# Altium PCB Main_Board.PcbDoc (part 8 of 19)
Units mil, origin at the board's own origin, x right, y up, seen from the top; angles counter-clockwise.
Board outline 5306 x 6610 mil, 12 copper layers ((L1) Top, (L2) Inner 1, (L3) Inner 2, (L4) Inner 3, (L5) Inner 4, (L6) Inner 5, (L7) Inner 6, (L8) Inner 7, (L9) Inner 8, (L10) Inner 9, (L11) Inner 10, (L12) Bottom), stack 94.81 mil thick; 347 components, 571 nets, 2611 pads, 4053 vias.
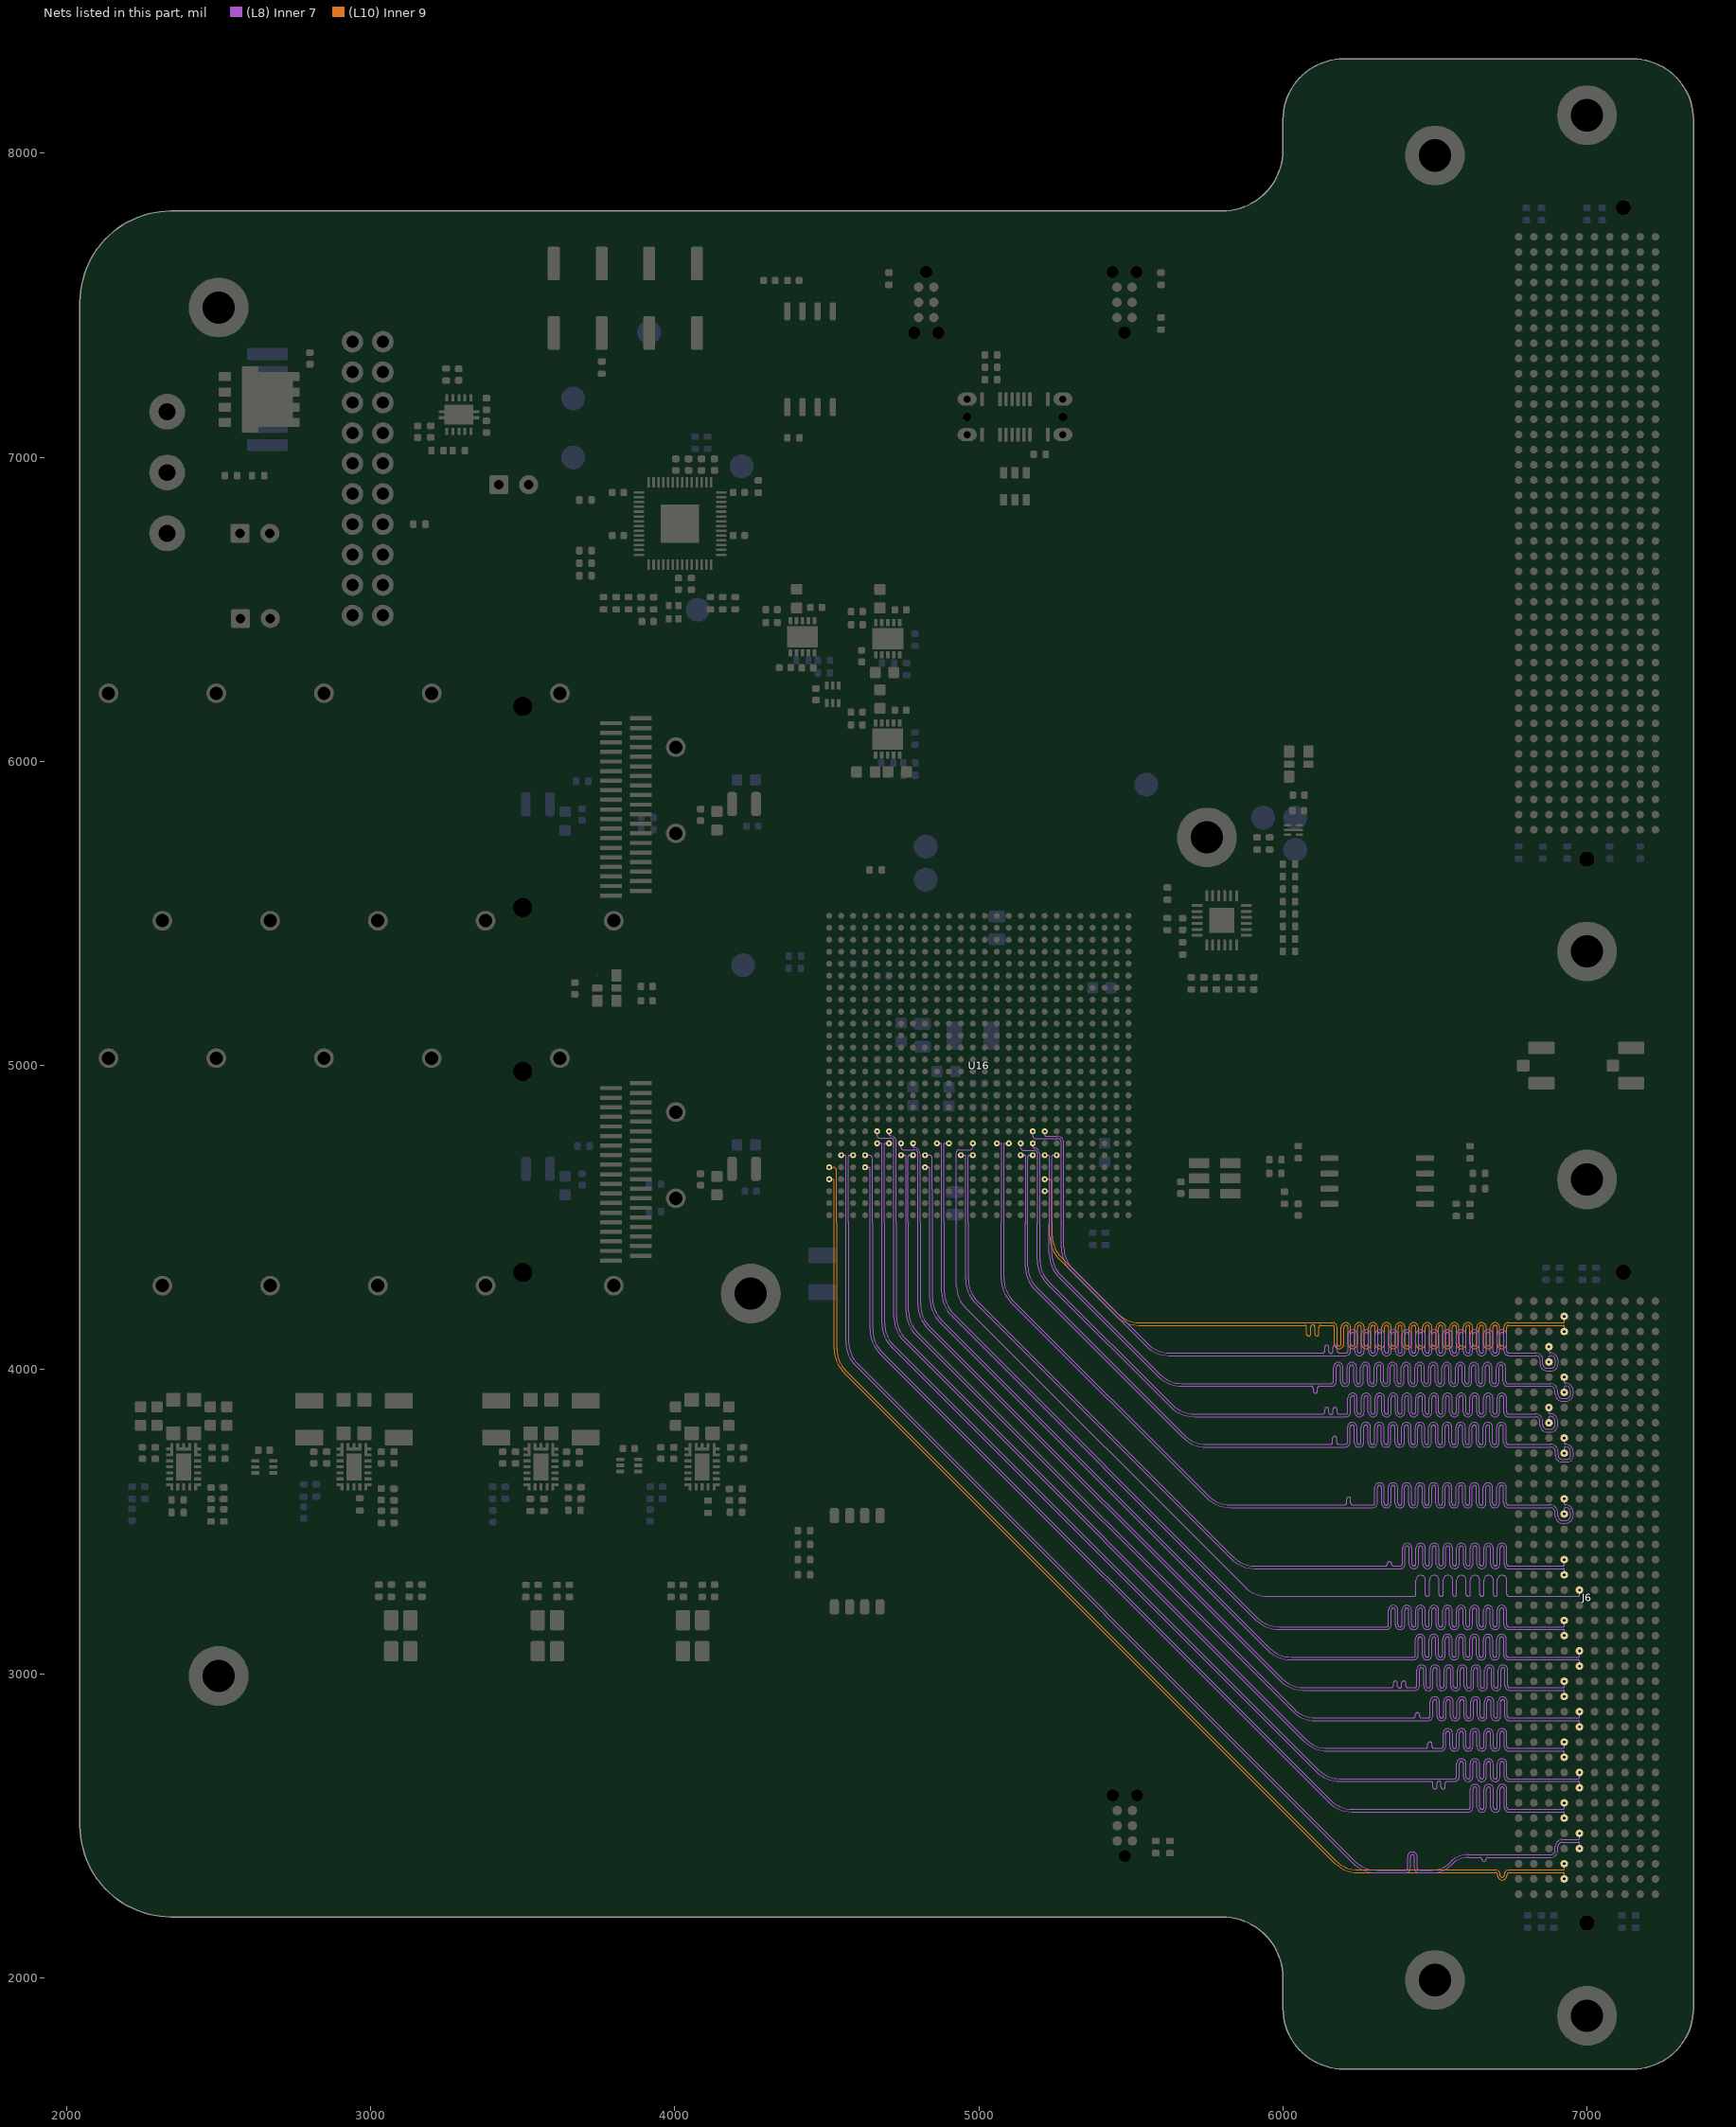
[diagram p18: the nets of this part, all layers, seen from the top]

## Via types
v1: diameter 13.78, hole 7.87, (L1) Top to (L12) Bottom, tented both sides, 4044 vias
v2: diameter 13.78, hole 7.87, (L1) Top to (L12) Bottom, tented bottom, 9 vias

## Nets (pads, with @x,y where several pads share a name; then routed paths per layer and width w, separated by ;. In a path a pad name is that pad's centre, name@x,y a point inside that pad or via, vN(x,y) a via of type N, cw(c..) or ccw(c..) an arc to the next point about the centre after c; other vN are vias at no path point) (continued)
HPCC_A_39_P: J6.F20 U16.Y13 | length 3861.9
  (L8) Inner 7 w3.5: 4925.72,4482.02 cw(c4927.48,4483.77) 4925,4483.77 4925,4711.65 cw(c4936,4711.65) 4936,4722.65 4971.09,4722.65 ccw(c4971.09,4731.87) 4980.31,4731.87 v1(4980.31,4744.09) ; 4925.73,4482.02 cw(c4923.97,4480.27) 4926.45,4480.27 4926.45,4274.97 ccw(c5026.45,4274.97) 4955.74,4204.26 5876.31,3283.69 ccw(c5947.02,3354.4) 5947.02,3254.4 6424.79,3254.4 6430.94,3254.4 ccw(c6430.94,3261.15) 6437.69,3261.15 6437.69,3308.07 cw(c6453.24,3308.07) 6468.79,3308.07 6468.79,3260.76 ccw(c6475.54,3260.76) 6482.29,3260.76 6482.29,3308.07 cw(c6497.84,3308.07) 6513.39,3308.07 6513.39,3260.76 ccw(c6520.14,3260.76) 6526.89,3260.76 6526.89,3308.07 cw(c6542.44,3308.07) 6557.99,3308.07 6557.99,3260.76 ccw(c6564.74,3260.76) 6571.49,3260.76 6571.49,3308.07 cw(c6587.04,3308.07) 6602.59,3308.07 6602.59,3260.76 ccw(c6609.34,3260.76) 6616.09,3260.76 6616.09,3308.07 cw(c6631.64,3308.07) 6647.19,3308.07 6647.19,3260.76 ccw(c6653.94,3260.76) 6660.69,3260.76 6660.69,3308.07 cw(c6676.24,3308.07) 6691.79,3308.07 6691.79,3260.76 ccw(c6698.54,3260.76) 6705.29,3260.76 6705.29,3308.07 cw(c6720.84,3308.07) 6736.39,3308.07 6736.39,3261.15 ccw(c6743.14,3261.15) 6743.14,3254.4 6796,3254.4 6971.5,3254.4 ccw(c6971.5,3257.9) 6973.97,3255.43 ccw(c6971.5,3257.9) 6975,3257.9 v1(6975,3275)
HPCC_A_40_N: J6.F25 U16.AB9 | length 4025.2
  (L8) Inner 7 w3.5: v1(4822.83,4665.35) 4833.76,4665.35 cw(c4833.76,4660.1) 4839.02,4660.1 4839.02,4233.6 ccw(c4947.82,4233.6) 4870.89,4156.67 5950.09,3077.47 ccw(c6027.02,3154.4) 6027.02,3045.6 6423.14,3045.6 6429.29,3045.6 ccw(c6429.29,3061.15) 6444.84,3061.15 6444.84,3113.71 cw(c6451.59,3113.71) 6458.34,3113.71 6458.34,3061.05 ccw(c6473.89,3061.05) 6489.44,3061.05 6489.44,3113.71 cw(c6496.19,3113.71) 6502.94,3113.71 6502.94,3061.05 ccw(c6518.49,3061.05) 6534.04,3061.05 6534.04,3113.71 cw(c6540.79,3113.71) 6547.54,3113.71 6547.54,3061.05 ccw(c6563.09,3061.05) 6578.64,3061.05 6578.64,3113.71 cw(c6585.39,3113.71) 6592.14,3113.71 6592.14,3061.05 ccw(c6607.69,3061.05) 6623.24,3061.05 6623.24,3113.71 cw(c6629.99,3113.71) 6636.74,3113.71 6636.74,3061.05 ccw(c6652.29,3061.05) 6667.84,3061.05 6667.84,3113.71 cw(c6674.59,3113.71) 6681.34,3113.71 6681.34,3061.05 ccw(c6696.89,3061.05) 6712.44,3061.05 6712.44,3113.71 cw(c6719.19,3113.71) 6725.94,3113.71 6725.94,3061.15 ccw(c6741.49,3061.15) 6741.49,3045.6 6778,3045.6 6971.5,3045.6 cw(c6971.5,3042.1) 6973.97,3044.57 cw(c6971.5,3042.1) 6975,3042.1 v1(6975,3025)
HPCC_A_40_P: J6.F24 U16.AA9 | length 4057.1
  (L8) Inner 7 w3.5: v1(4822.83,4704.72) 4837.77,4704.72 cw(c4837.77,4696.12) 4846.37,4696.12 4846.37,4593.41 4846.37,4485 4846.37,4483.77 ccw(c4848.85,4483.77) 4847.1,4482.02 cw(c4845.35,4480.27) 4847.82,4480.27 4847.82,4233.6 ccw(c4947.82,4233.6) 4877.11,4162.89 5956.31,3083.69 ccw(c6027.02,3154.4) 6027.02,3054.4 6423.14,3054.4 6429.29,3054.4 ccw(c6429.29,3061.15) 6436.04,3061.15 6436.04,3113.71 cw(c6451.59,3113.71) 6467.14,3113.71 6467.14,3061.05 ccw(c6473.89,3061.05) 6480.64,3061.05 6480.64,3113.71 cw(c6496.19,3113.71) 6511.74,3113.71 6511.74,3061.05 ccw(c6518.49,3061.05) 6525.24,3061.05 6525.24,3113.71 cw(c6540.79,3113.71) 6556.34,3113.71 6556.34,3061.05 ccw(c6563.09,3061.05) 6569.84,3061.05 6569.84,3113.71 cw(c6585.39,3113.71) 6600.94,3113.71 6600.94,3061.05 ccw(c6607.69,3061.05) 6614.44,3061.05 6614.44,3113.71 cw(c6629.99,3113.71) 6645.54,3113.71 6645.54,3061.05 ccw(c6652.29,3061.05) 6659.04,3061.05 6659.04,3113.71 cw(c6674.59,3113.71) 6690.14,3113.71 6690.14,3061.05 ccw(c6696.89,3061.05) 6703.64,3061.05 6703.64,3113.71 cw(c6719.19,3113.71) 6734.74,3113.71 6734.74,3061.15 ccw(c6741.49,3061.15) 6741.49,3054.4 6778,3054.4 6971.5,3054.4 ccw(c6971.5,3057.9) 6973.97,3055.43 ccw(c6971.5,3057.9) 6975,3057.9 v1(6975,3075)
HPCC_A_41_N: J6.F29 U16.AA7 | length 4057
  (L8) Inner 7 w3.5: v1(4744.09,4704.72) 4756.6,4704.72 cw(c4756.6,4701.22) 4759.08,4703.7 cw(c4756.6,4701.22) 4760.1,4701.22 4760.1,4192.52 ccw(c4868.9,4192.52) 4791.97,4115.58 6030.09,2877.47 ccw(c6107.02,2954.4) 6107.02,2845.6 6471.11,2845.6 6477.26,2845.6 ccw(c6477.26,2861.15) 6492.81,2861.15 6492.81,2908.09 cw(c6499.56,2908.09) 6506.31,2908.09 6506.31,2860.61 ccw(c6521.86,2860.61) 6537.41,2860.61 6537.41,2908.09 cw(c6544.16,2908.09) 6550.91,2908.09 6550.91,2860.61 ccw(c6566.46,2860.61) 6582.01,2860.61 6582.01,2908.09 cw(c6588.76,2908.09) 6595.51,2908.09 6595.51,2860.61 ccw(c6611.06,2860.61) 6626.61,2860.61 6626.61,2908.09 cw(c6633.36,2908.09) 6640.11,2908.09 6640.11,2860.61 ccw(c6655.66,2860.61) 6671.21,2860.61 6671.21,2908.09 cw(c6677.96,2908.09) 6684.71,2908.09 6684.71,2860.61 ccw(c6700.26,2860.61) 6715.81,2860.61 6715.81,2908.09 cw(c6722.56,2908.09) 6729.31,2908.09 6729.31,2861.15 ccw(c6744.86,2861.15) 6744.86,2845.6 6780,2845.6 6971.5,2845.6 cw(c6971.5,2842.1) 6973.97,2844.57 cw(c6971.5,2842.1) 6975,2842.1 v1(6975,2825)
HPCC_A_41_P: J6.F28 U16.AA8 | length 4066.2
  (L8) Inner 7 w3.5: v1(4783.46,4704.72) 4770.95,4704.72 ccw(c4770.95,4701.22) 4768.48,4703.7 ccw(c4770.95,4701.22) 4767.45,4701.22 4767.45,4483.77 ccw(c4769.93,4483.77) 4768.18,4482.02 cw(c4766.43,4480.27) 4768.9,4480.27 4768.9,4192.52 ccw(c4868.9,4192.52) 4798.19,4121.81 6036.31,2883.69 ccw(c6107.02,2954.4) 6107.02,2854.4 6419.51,2854.4 6428.75,2854.4 ccw(c6428.75,2861.15) 6435.5,2861.15 6435.5,2864.75 cw(c6442.25,2864.75) 6449,2864.75 6449,2861.15 ccw(c6455.75,2861.15) 6455.75,2854.4 6471,2854.4 6471.11,2854.4 6477.26,2854.4 ccw(c6477.26,2861.15) 6484.01,2861.15 6484.01,2908.09 cw(c6499.56,2908.09) 6515.11,2908.09 6515.11,2860.61 ccw(c6521.86,2860.61) 6528.61,2860.61 6528.61,2908.09 cw(c6544.16,2908.09) 6559.71,2908.09 6559.71,2860.61 ccw(c6566.46,2860.61) 6573.21,2860.61 6573.21,2908.09 cw(c6588.76,2908.09) 6604.31,2908.09 6604.31,2860.61 ccw(c6611.06,2860.61) 6617.81,2860.61 6617.81,2908.09 cw(c6633.36,2908.09) 6648.91,2908.09 6648.91,2860.61 ccw(c6655.66,2860.61) 6662.41,2860.61 6662.41,2908.09 cw(c6677.96,2908.09) 6693.51,2908.09 6693.51,2860.61 ccw(c6700.26,2860.61) 6707.01,2860.61 6707.01,2908.09 cw(c6722.56,2908.09) 6738.11,2908.09 6738.11,2861.15 ccw(c6744.86,2861.15) 6744.86,2854.4 6780,2854.4 6971.5,2854.4 ccw(c6971.5,2857.9) 6973.97,2855.43 ccw(c6971.5,2857.9) 6975,2857.9 v1(6975,2875)
HPCC_A_42_N: J6.F33 U16.Y5 | length 4090.3
  (L8) Inner 7 w3.5: v1(4665.35,4744.09) 4677.86,4744.09 cw(c4677.86,4740.59) 4680.34,4743.07 cw(c4677.86,4740.59) 4681.36,4740.59 4681.36,4151.26 ccw(c4790.16,4151.26) 4713.23,4074.32 6110.09,2677.47 ccw(c6187.02,2754.4) 6187.02,2645.6 6471,2645.6 6486.25,2645.6 cw(c6486.25,2638.85) 6493,2638.85 6493,2627.34 ccw(c6499.75,2627.34) 6506.5,2627.34 6506.5,2640.3 cw(c6513.25,2640.3) 6520,2640.3 6520,2627.34 ccw(c6526.75,2627.34) 6533.5,2627.34 6533.5,2638.85 cw(c6540.25,2638.85) 6540.25,2645.6 6557,2645.6 6558.4,2645.6 6564.55,2645.6 ccw(c6564.55,2661.15) 6580.1,2661.15 6580.1,2704.45 cw(c6586.85,2704.45) 6593.6,2704.45 6593.6,2660.89 ccw(c6609.15,2660.89) 6624.7,2660.89 6624.7,2704.45 cw(c6631.45,2704.45) 6638.2,2704.45 6638.2,2660.89 ccw(c6653.75,2660.89) 6669.3,2660.89 6669.3,2704.45 cw(c6676.05,2704.45) 6682.8,2704.45 6682.8,2660.89 ccw(c6698.35,2660.89) 6713.9,2660.89 6713.9,2704.45 cw(c6720.65,2704.45) 6727.4,2704.45 6727.4,2661.15 ccw(c6742.95,2661.15) 6742.95,2645.6 6779,2645.6 6971.5,2645.6 cw(c6971.5,2642.1) 6973.97,2644.57 cw(c6971.5,2642.1) 6975,2642.1 v1(6975,2625)
HPCC_A_42_P: J6.F32 U16.Y6 | length 3997.1
  (L8) Inner 7 w3.5: v1(4704.72,4744.09) 4692.21,4744.09 ccw(c4692.21,4740.59) 4689.74,4743.07 ccw(c4692.21,4740.59) 4688.71,4740.59 4688.71,4483.77 ccw(c4691.19,4483.77) 4689.44,4482.02 cw(c4687.69,4480.27) 4690.16,4480.27 4690.16,4151.26 ccw(c4790.16,4151.26) 4719.45,4080.55 6116.31,2683.69 ccw(c6187.02,2754.4) 6187.02,2654.4 6558.4,2654.4 6564.55,2654.4 ccw(c6564.55,2661.15) 6571.3,2661.15 6571.3,2704.45 cw(c6586.85,2704.45) 6602.4,2704.45 6602.4,2660.89 ccw(c6609.15,2660.89) 6615.9,2660.89 6615.9,2704.45 cw(c6631.45,2704.45) 6647,2704.45 6647,2660.89 ccw(c6653.75,2660.89) 6660.5,2660.89 6660.5,2704.45 cw(c6676.05,2704.45) 6691.6,2704.45 6691.6,2660.89 ccw(c6698.35,2660.89) 6705.1,2660.89 6705.1,2704.45 cw(c6720.65,2704.45) 6736.2,2704.45 6736.2,2661.15 ccw(c6742.95,2661.15) 6742.95,2654.4 6779,2654.4 6971.5,2654.4 ccw(c6971.5,2657.9) 6973.97,2655.43 ccw(c6971.5,2657.9) 6975,2657.9 v1(6975,2675)
HPCC_A_43_N: J6.F37 U16.AA2 | length 3963.2
  (L8) Inner 7 w3.5: v1(4547.24,4704.72) 4559.75,4704.72 cw(c4559.75,4701.22) 4562.23,4703.7 cw(c4559.75,4701.22) 4563.25,4701.22 4563.25,4089.37 ccw(c4672.05,4089.37) 4595.12,4012.43 6230.49,2377.07 ccw(c6307.42,2454) 6307.42,2345.2 6397.52,2345.2 6403.67,2345.2 ccw(c6403.67,2360.75) 6419.22,2360.75 6419.22,2397.92 cw(c6425.97,2397.92) 6432.72,2397.92 6432.72,2360.75 ccw(c6448.27,2360.75) 6448.27,2345.2 6491,2345.2 ccw(c6491,2433.67) 6553.56,2371.11 6556.22,2373.78 cw(c6609.87,2320.13) 6609.87,2396 6632.3,2396 6647.55,2396 cw(c6647.55,2389.25) 6654.3,2389.25 ccw(c6661.05,2389.23) 6667.8,2389.23 cw(c6674.55,2389.25) 6674.55,2396 6691.3,2396 6880.8,2396 ccw(c6880.8,2419) 6903.8,2419 6903.8,2430.8 cw(c6919,2430.8) 6919,2446 6971,2446 cw(c6971,2442) 6975,2442 v1(6975,2425)
HPCC_A_43_P: J6.F36 U16.AA3 | length 3933.5
  (L8) Inner 7 w3.5: v1(4586.61,4704.72) 4574.1,4704.72 ccw(c4574.1,4701.22) 4571.63,4703.7 ccw(c4574.1,4701.22) 4570.6,4701.22 4570.6,4483.77 ccw(c4573.08,4483.77) 4571.33,4482.02 cw(c4569.58,4480.27) 4572.05,4480.27 4572.05,4089.37 ccw(c4672.05,4089.37) 4601.34,4018.66 6236.71,2383.29 ccw(c6307.42,2454) 6307.42,2354 6397.52,2354 6403.67,2354 ccw(c6403.67,2360.75) 6410.42,2360.75 6410.42,2397.92 cw(c6425.97,2397.92) 6441.52,2397.92 6441.52,2360.75 ccw(c6448.27,2360.75) 6448.27,2354 6491,2354 ccw(c6491,2433.67) 6547.33,2377.33 6550,2380 cw(c6609.87,2320.13) 6609.87,2404.8 6880.8,2404.8 ccw(c6880.8,2419) 6895,2419 6895,2430.8 cw(c6919,2430.8) 6919,2454.8 6971,2454.8 ccw(c6971,2458.8) 6975,2458.8 v1(6975,2475)
HPCC_A_44_N: J6.G3 U16.AD19 | length 3886.4
  (L10) Inner 9 w3.5: v1(5216.54,4586.61) 5228.65,4586.61 cw(c5228.65,4582.61) 5232.65,4582.61 5232.65,4439.97 ccw(c5341.45,4439.97) 5264.52,4363.03 5450.09,4177.47 ccw(c5527.02,4254.4) 5527.02,4145.6 6055.95,4145.6 6071.2,4145.6 cw(c6071.2,4138.85) 6077.95,4138.85 6077.95,4117.07 ccw(c6084.7,4117.07) 6091.45,4117.07 6091.45,4140.3 cw(c6098.2,4140.3) 6104.95,4140.3 6104.95,4117.07 ccw(c6111.7,4117.07) 6118.45,4117.07 6118.45,4138.85 cw(c6125.2,4138.85) 6125.2,4145.6 6134,4145.6 6162.45,4145.6 cw(c6162.45,4138.85) 6169.2,4138.85 6169.2,4084.25 ccw(c6184.75,4084.25) 6200.3,4084.25 6200.3,4138.99 cw(c6207.05,4138.99) 6213.8,4138.99 6213.8,4084.25 ccw(c6229.35,4084.25) 6244.9,4084.25 6244.9,4138.99 cw(c6251.65,4138.99) 6258.4,4138.99 6258.4,4084.25 ccw(c6273.95,4084.25) 6289.5,4084.25 6289.5,4138.99 cw(c6296.25,4138.99) 6303,4138.99 6303,4084.25 ccw(c6318.55,4084.25) 6334.1,4084.25 6334.1,4138.99 cw(c6340.85,4138.99) 6347.6,4138.99 6347.6,4084.25 ccw(c6363.15,4084.25) 6378.7,4084.25 6378.7,4138.99 cw(c6385.45,4138.99) 6392.2,4138.99 6392.2,4084.25 ccw(c6407.75,4084.25) 6423.3,4084.25 6423.3,4138.99 cw(c6430.05,4138.99) 6436.8,4138.99 6436.8,4084.25 ccw(c6452.35,4084.25) 6467.9,4084.25 6467.9,4138.99 cw(c6474.65,4138.99) 6481.4,4138.99 6481.4,4084.25 ccw(c6496.95,4084.25) 6512.5,4084.25 6512.5,4138.99 cw(c6519.25,4138.99) 6526,4138.99 6526,4084.25 ccw(c6541.55,4084.25) 6557.1,4084.25 6557.1,4138.99 cw(c6563.85,4138.99) 6570.6,4138.99 6570.6,4084.25 ccw(c6586.15,4084.25) 6601.7,4084.25 6601.7,4138.99 cw(c6608.45,4138.99) 6615.2,4138.99 6615.2,4084.25 ccw(c6630.75,4084.25) 6646.3,4084.25 6646.3,4138.99 cw(c6653.05,4138.99) 6659.8,4138.99 6659.8,4084.25 ccw(c6675.35,4084.25) 6690.9,4084.25 6690.9,4138.99 cw(c6697.65,4138.99) 6704.4,4138.99 6704.4,4084.25 ccw(c6719.95,4084.25) 6735.5,4084.25 6735.5,4138.85 cw(c6742.25,4138.85) 6742.25,4145.6 6791,4145.6 6921.5,4145.6 cw(c6921.5,4142.1) 6923.97,4144.57 cw(c6921.5,4142.1) 6925,4142.1 v1(6925,4125)
HPCC_A_44_P: J6.G2 U16.AC19 | length 3796.1
  (L10) Inner 9 w3.5: v1(5216.54,4625.98) 5229.76,4625.98 cw(c5229.76,4615.74) 5240,4615.74 5240,4483.77 ccw(c5242.48,4483.77) 5240.73,4482.02 cw(c5238.98,4480.27) 5241.45,4480.27 5241.45,4439.97 ccw(c5341.45,4439.97) 5270.74,4369.26 5456.31,4183.69 ccw(c5527.02,4254.4) 5527.02,4154.4 6134,4154.4 6162.45,4154.4 cw(c6162.45,4138.85) 6178,4138.85 6178,4084.25 ccw(c6184.75,4084.25) 6191.5,4084.25 6191.5,4138.99 cw(c6207.05,4138.99) 6222.6,4138.99 6222.6,4084.25 ccw(c6229.35,4084.25) 6236.1,4084.25 6236.1,4138.99 cw(c6251.65,4138.99) 6267.2,4138.99 6267.2,4084.25 ccw(c6273.95,4084.25) 6280.7,4084.25 6280.7,4138.99 cw(c6296.25,4138.99) 6311.8,4138.99 6311.8,4084.25 ccw(c6318.55,4084.25) 6325.3,4084.25 6325.3,4138.99 cw(c6340.85,4138.99) 6356.4,4138.99 6356.4,4084.25 ccw(c6363.15,4084.25) 6369.9,4084.25 6369.9,4138.99 cw(c6385.45,4138.99) 6401,4138.99 6401,4084.25 ccw(c6407.75,4084.25) 6414.5,4084.25 6414.5,4138.99 cw(c6430.05,4138.99) 6445.6,4138.99 6445.6,4084.25 ccw(c6452.35,4084.25) 6459.1,4084.25 6459.1,4138.99 cw(c6474.65,4138.99) 6490.2,4138.99 6490.2,4084.25 ccw(c6496.95,4084.25) 6503.7,4084.25 6503.7,4138.99 cw(c6519.25,4138.99) 6534.8,4138.99 6534.8,4084.25 ccw(c6541.55,4084.25) 6548.3,4084.25 6548.3,4138.99 cw(c6563.85,4138.99) 6579.4,4138.99 6579.4,4084.25 ccw(c6586.15,4084.25) 6592.9,4084.25 6592.9,4138.99 cw(c6608.45,4138.99) 6624,4138.99 6624,4084.25 ccw(c6630.75,4084.25) 6637.5,4084.25 6637.5,4138.99 cw(c6653.05,4138.99) 6668.6,4138.99 6668.6,4084.25 ccw(c6675.35,4084.25) 6682.1,4084.25 6682.1,4138.99 cw(c6697.65,4138.99) 6713.2,4138.99 6713.2,4084.25 ccw(c6719.95,4084.25) 6726.7,4084.25 6726.7,4138.85 cw(c6742.25,4138.85) 6742.25,4154.4 6791,4154.4 6921.5,4154.4 ccw(c6921.5,4157.9) 6923.97,4155.43 ccw(c6921.5,4157.9) 6925,4157.9 v1(6925,4175)
HPCC_A_45_N: J6.G7 U16.AA20 | length 3901
  (L8) Inner 7 w3.5: v1(5255.91,4704.72) 5243.4,4704.72 ccw(c5243.4,4701.22) 5240.92,4703.7 ccw(c5243.4,4701.22) 5239.9,4701.22 5239.9,4381.53 ccw(c5339.9,4381.53) 5269.18,4310.82 5596.71,3983.29 ccw(c5667.42,4054) 5667.42,3954 6131.07,3954 6159.74,3954 ccw(c6159.74,3960.75) 6166.49,3960.75 6166.49,4007.86 cw(c6182.04,4007.86) 6197.59,4007.86 6197.59,3960.36 ccw(c6204.34,3960.36) 6211.09,3960.36 6211.09,4007.86 cw(c6226.64,4007.86) 6242.19,4007.86 6242.19,3960.36 ccw(c6248.94,3960.36) 6255.69,3960.36 6255.69,4007.86 cw(c6271.24,4007.86) 6286.79,4007.86 6286.79,3960.36 ccw(c6293.54,3960.36) 6300.29,3960.36 6300.29,4007.86 cw(c6315.84,4007.86) 6331.39,4007.86 6331.39,3960.36 ccw(c6338.14,3960.36) 6344.89,3960.36 6344.89,4007.86 cw(c6360.44,4007.86) 6375.99,4007.86 6375.99,3960.36 ccw(c6382.74,3960.36) 6389.49,3960.36 6389.49,4007.86 cw(c6405.04,4007.86) 6420.59,4007.86 6420.59,3960.36 ccw(c6427.34,3960.36) 6434.09,3960.36 6434.09,4007.86 cw(c6449.64,4007.86) 6465.19,4007.86 6465.19,3960.36 ccw(c6471.94,3960.36) 6478.69,3960.36 6478.69,4007.86 cw(c6494.24,4007.86) 6509.79,4007.86 6509.79,3960.36 ccw(c6516.54,3960.36) 6523.29,3960.36 6523.29,4007.86 cw(c6538.84,4007.86) 6554.39,4007.86 6554.39,3960.36 ccw(c6561.14,3960.36) 6567.89,3960.36 6567.89,4007.86 cw(c6583.44,4007.86) 6598.99,4007.86 6598.99,3960.36 ccw(c6605.74,3960.36) 6612.49,3960.36 6612.49,4007.86 cw(c6628.04,4007.86) 6643.59,4007.86 6643.59,3960.36 ccw(c6650.34,3960.36) 6657.09,3960.36 6657.09,4007.86 cw(c6672.64,4007.86) 6688.19,4007.86 6688.19,3960.36 ccw(c6694.94,3960.36) 6701.69,3960.36 6701.69,4007.86 cw(c6717.24,4007.86) 6732.79,4007.86 6732.79,3960.75 ccw(c6739.54,3960.75) 6739.54,3954 6812.59,3954 6878.8,3954 cw(c6878.8,3929) 6903.8,3929 6903.8,3920.2 ccw(c6919,3920.2) 6919,3905 6931,3905 ccw(c6931,3920) 6946,3920 6946,3929 ccw(c6929,3929) 6929,3946 ccw(c6929,3942) 6925,3942 v1(6925,3925)
HPCC_A_45_P: J6.G6 U16.AA19 | length 3975.6
  (L8) Inner 7 w3.5: v1(5216.54,4704.72) 5229.05,4704.72 cw(c5229.05,4701.22) 5231.52,4703.7 cw(c5229.05,4701.22) 5232.55,4701.22 5232.55,4483.77 cw(c5230.07,4483.77) 5231.82,4482.02 ccw(c5233.57,4480.27) 5231.1,4480.27 5231.1,4381.53 ccw(c5339.9,4381.53) 5262.96,4304.59 5590.49,3977.07 ccw(c5667.42,4054) 5667.42,3945.2 6078.07,3945.2 6093.32,3945.2 cw(c6093.32,3938.45) 6100.07,3938.45 6100.07,3929.4 ccw(c6106.82,3929.4) 6113.57,3929.4 6113.57,3938.45 cw(c6120.32,3938.45) 6120.32,3945.2 6131,3945.2 6131.07,3945.2 6159.74,3945.2 ccw(c6159.74,3960.75) 6175.29,3960.75 6175.29,4007.86 cw(c6182.04,4007.86) 6188.79,4007.86 6188.79,3960.36 ccw(c6204.34,3960.36) 6219.89,3960.36 6219.89,4007.86 cw(c6226.64,4007.86) 6233.39,4007.86 6233.39,3960.36 ccw(c6248.94,3960.36) 6264.49,3960.36 6264.49,4007.86 cw(c6271.24,4007.86) 6277.99,4007.86 6277.99,3960.36 ccw(c6293.54,3960.36) 6309.09,3960.36 6309.09,4007.86 cw(c6315.84,4007.86) 6322.59,4007.86 6322.59,3960.36 ccw(c6338.14,3960.36) 6353.69,3960.36 6353.69,4007.86 cw(c6360.44,4007.86) 6367.19,4007.86 6367.19,3960.36 ccw(c6382.74,3960.36) 6398.29,3960.36 6398.29,4007.86 cw(c6405.04,4007.86) 6411.79,4007.86 6411.79,3960.36 ccw(c6427.34,3960.36) 6442.89,3960.36 6442.89,4007.86 cw(c6449.64,4007.86) 6456.39,4007.86 6456.39,3960.36 ccw(c6471.94,3960.36) 6487.49,3960.36 6487.49,4007.86 cw(c6494.24,4007.86) 6500.99,4007.86 6500.99,3960.36 ccw(c6516.54,3960.36) 6532.09,3960.36 6532.09,4007.86 cw(c6538.84,4007.86) 6545.59,4007.86 6545.59,3960.36 ccw(c6561.14,3960.36) 6576.69,3960.36 6576.69,4007.86 cw(c6583.44,4007.86) 6590.19,4007.86 6590.19,3960.36 ccw(c6605.74,3960.36) 6621.29,3960.36 6621.29,4007.86 cw(c6628.04,4007.86) 6634.79,4007.86 6634.79,3960.36 ccw(c6650.34,3960.36) 6665.89,3960.36 6665.89,4007.86 cw(c6672.64,4007.86) 6679.39,4007.86 6679.39,3960.36 ccw(c6694.94,3960.36) 6710.49,3960.36 6710.49,4007.86 cw(c6717.24,4007.86) 6723.99,4007.86 6723.99,3960.75 ccw(c6739.54,3960.75) 6739.54,3945.2 6812.59,3945.2 6878.8,3945.2 cw(c6878.8,3929) 6895,3929 6895,3920.2 ccw(c6919,3920.2) 6919,3896.2 6931,3896.2 ccw(c6931,3920) 6954.8,3920 6954.8,3929 ccw(c6929,3929) 6929,3954.8 cw(c6929,3958.8) 6925,3958.8 v1(6925,3975)
HPCC_A_46_N: J6.G11 U16.AA18 | length 4082.9
  (L8) Inner 7 w3.5: v1(5177.17,4704.72) 5164.66,4704.72 ccw(c5164.66,4701.22) 5162.18,4703.7 ccw(c5164.66,4701.22) 5161.16,4701.22 5161.16,4340.27 ccw(c5261.16,4340.27) 5190.44,4269.56 5676.71,3783.29 ccw(c5747.42,3854) 5747.42,3754 6144.91,3754 6156.75,3754 ccw(c6156.75,3760.75) 6163.5,3760.75 6163.5,3774 cw(c6170.25,3774) 6177,3774 6177,3760.75 ccw(c6183.75,3760.75) 6183.75,3754 6199,3754 6199.33,3754 6205.48,3754 ccw(c6205.48,3760.75) 6212.23,3760.75 6212.23,3810.85 cw(c6227.78,3810.85) 6243.33,3810.85 6243.33,3760.35 ccw(c6250.08,3760.35) 6256.83,3760.35 6256.83,3810.85 cw(c6272.38,3810.85) 6287.93,3810.85 6287.93,3760.35 ccw(c6294.68,3760.35) 6301.43,3760.35 6301.43,3810.85 cw(c6316.98,3810.85) 6332.53,3810.85 6332.53,3760.35 ccw(c6339.28,3760.35) 6346.03,3760.35 6346.03,3810.85 cw(c6361.58,3810.85) 6377.13,3810.85 6377.13,3760.35 ccw(c6383.88,3760.35) 6390.63,3760.35 6390.63,3810.85 cw(c6406.18,3810.85) 6421.73,3810.85 6421.73,3760.35 ccw(c6428.48,3760.35) 6435.23,3760.35 6435.23,3810.85 cw(c6450.78,3810.85) 6466.33,3810.85 6466.33,3760.35 ccw(c6473.08,3760.35) 6479.83,3760.35 6479.83,3810.85 cw(c6495.38,3810.85) 6510.93,3810.85 6510.93,3760.35 ccw(c6517.68,3760.35) 6524.43,3760.35 6524.43,3810.85 cw(c6539.98,3810.85) 6555.53,3810.85 6555.53,3760.35 ccw(c6562.28,3760.35) 6569.03,3760.35 6569.03,3810.85 cw(c6584.58,3810.85) 6600.13,3810.85 6600.13,3760.35 ccw(c6606.88,3760.35) 6613.63,3760.35 6613.63,3810.85 cw(c6629.18,3810.85) 6644.73,3810.85 6644.73,3760.35 ccw(c6651.48,3760.35) 6658.23,3760.35 6658.23,3810.85 cw(c6673.78,3810.85) 6689.33,3810.85 6689.33,3760.35 ccw(c6696.08,3760.35) 6702.83,3760.35 6702.83,3810.85 cw(c6718.38,3810.85) 6733.93,3810.85 6733.93,3760.75 ccw(c6740.68,3760.75) 6740.68,3754 6805,3754 6880.8,3754 cw(c6880.8,3730) 6904.8,3730 6904.8,3718.06 ccw(c6917.86,3718.06) 6917.86,3705 6934.16,3705 ccw(c6934.16,3716.84) 6946,3716.84 6946,3729 ccw(c6929,3729) 6929,3746 ccw(c6929,3742) 6925,3742 v1(6925,3725)